# Altium PCB STB_SensorBoard.PcbDoc (part 2 of 4)
Units mm, origin at the board's own origin, x right, y up, seen from the top; angles counter-clockwise.
Board outline 370 x 359 mm, 2 copper layers (Top Layer, Bottom Layer), stack 1.569 mm thick; 224 components, 98 nets, 746 pads, 3353 vias.
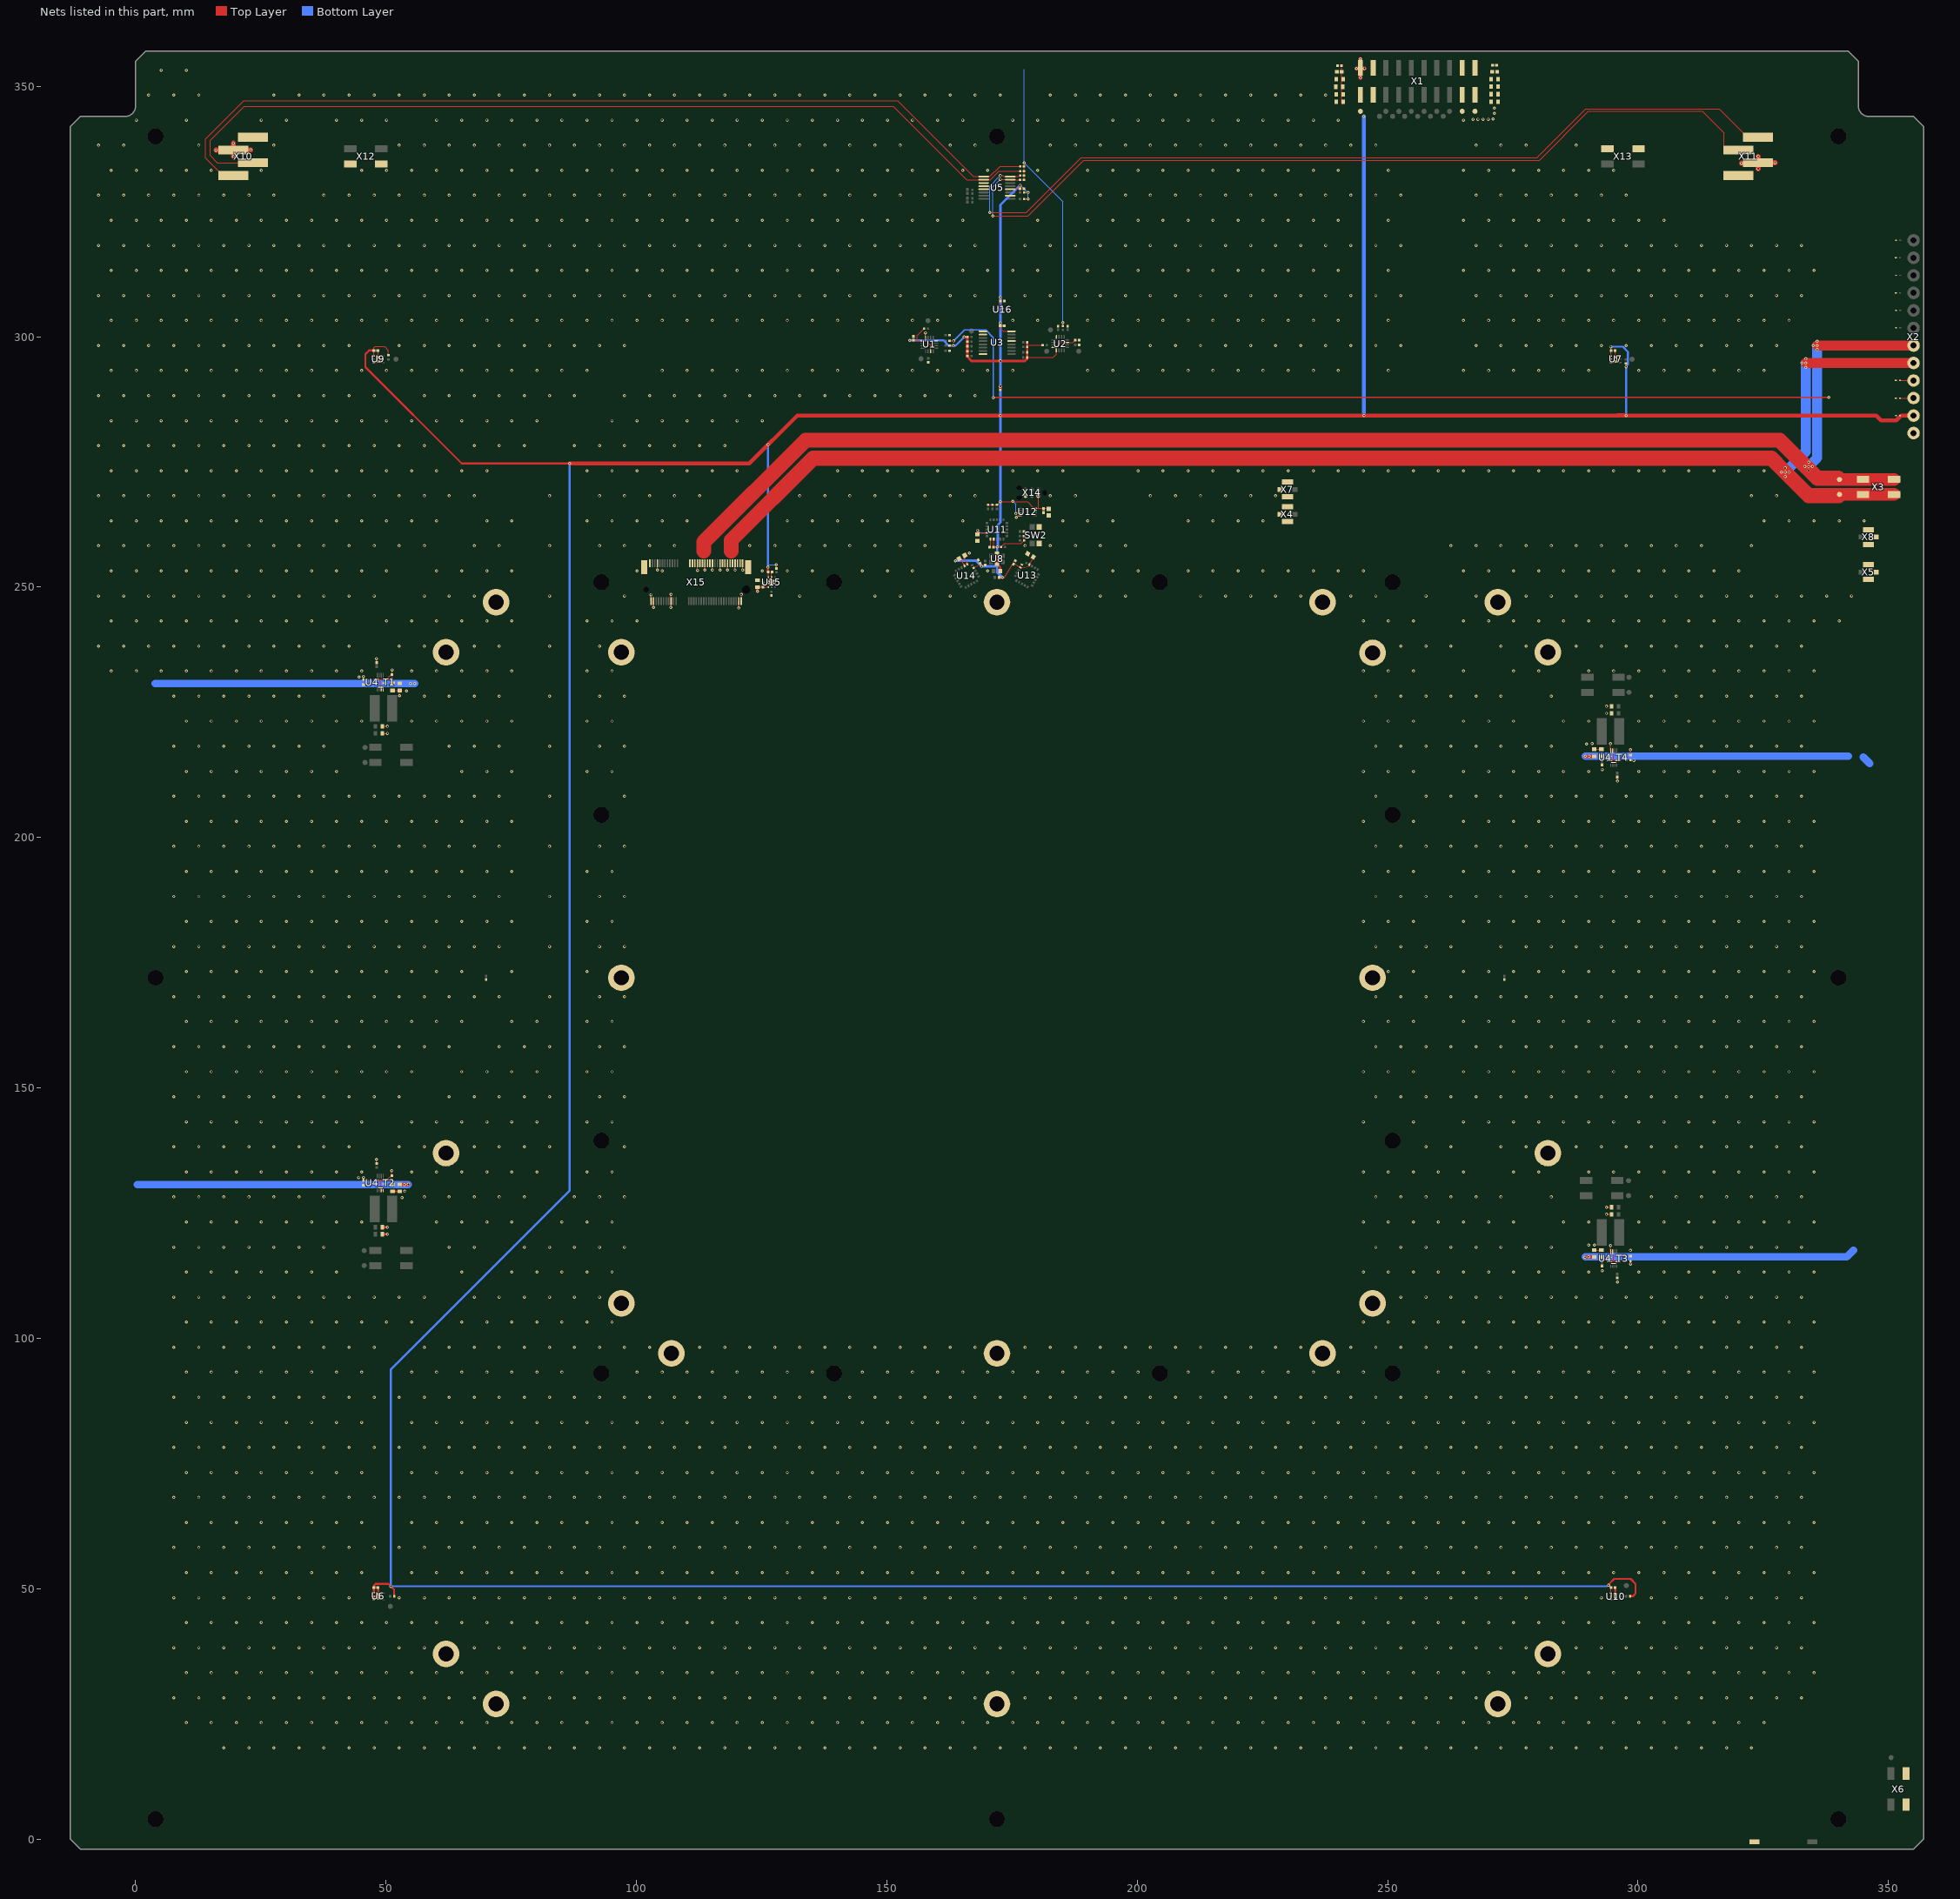
[diagram p2: the nets of this part, all layers, seen from the top]

## Part data (continued)
R15 R16 R17 R18: library part CMP-1011-00586-2, Manufacturer="Yageo / Phycomp", Manufacturer Part Number=RC0402FR-074K7L, Max Operating Temperature=155°C, Min Operating Temperature=-55°C, Package Height=0.35mm, Package Length=1mm, Package Shape=Rectangular, Package Style=SMTMeter, Package Width=0.5mm, Rated Power Dissipation (P)=62.5mW, Rated Temperature=70°C, Resistor Type="FIXED RESISTOR", Supplier Part Number 1=311-4.7KLRDKR-ND, Temperature Coefficient=100ppm/°C, Tolerance=1%, Working Voltage=50V, Additional Feature="LASER TRIMMABLE", Category="Chip SMD Resistors", ComponentLink1Description=https://datasheet.ciiva.com:443/pdfs/VipMasterIC/IC/YAGO/YAGO-S-A0008145938/YAGO-S-A0008145938-1.pdf?src-supplier=IHS+Markit, ComponentLink1URL=https://datasheet.ciiva.com:443/pdfs/VipMasterIC/IC/YAGO/YAGO-S-A0008145938/YAGO-S-A0008145938-1.pdf?src-supplier=IHS+Markit, ComponentLink2Description=https://datasheet.ciiva.com/22661/1686128-22661342.pdf?src-supplier=Element14, ComponentLink2URL=https://datasheet.ciiva.com/22661/1686128-22661342.pdf?src-supplier=Element14, ComponentLink3Description=https://datasheet.ciiva.com/7850/1018594-7850022.pdf?src-supplier=Element14, ComponentLink3URL=https://datasheet.ciiva.com/7850/1018594-7850022.pdf?src-supplier=Element14, ComponentLink4Description=https://datasheet.ciiva.com/7850/1018594-7850023.pdf?src-supplier=Element14, ComponentLink4URL=https://datasheet.ciiva.com/7850/1018594-7850023.pdf?src-supplier=Element14, ComponentLink5Description=https://datasheet.ciiva.com/15215/getdatasheetpartid-328119-15215035.pdf?src-supplier=Verical, ComponentLink5URL=https://datasheet.ciiva.com/15215/getdatasheetpartid-328119-15215035.pdf?src-supplier=Verical, Construction=Chip, JESD-609 Code=e3, Mount="Surface Mount", Number of Pins=2, Packaging="Tape and Reel", Part Number=RC0402FR-074K7L, Pricing 1="1=0.10000, 10=0.01500, 100=0.00600, 1000=0.00267, 2500=0.00232, 5000=0.00192 (USD)", REACH SVHC=Yes, RoHS=Yes, RoHS Compliant=Yes, Size Code=0402, Stock 1=23638739, Supplier 1=Digi-Key, Technology="METAL GLAZE/THICK FILM", Terminal Finish=Nickel, Termination=Wraparound
R21 R23: library part CMP-06022-000003-3, "NTC Thermistor for Temperature Sensor, 0402, 10kΩ, 1%, 0.1mA, 5V", Case Code (Imperial)=0402, Case Code (Metric)=1005, Current Rating=310uA, Manufacturer=Murata, Max Operating Temperature=125°C, Max Power Dissipation=100mW, Min Operating Temperature=-40°C, Package Quantity=10000, Package Shape=Rectangular, Rated Temperature=25°C, Resistance Tolerance=1%, Resistor Type="NTC THERMISTOR", Supplier Part Number 1=490-4801-1-ND, Case/Package=0402, Category=Thermistors, ComponentLink1Description=https://datasheet.ciiva.com:443/pdfs/VipMasterIC/IC/MURE/MURE-S-A0003530701/MURE-S-A0003530701-1.pdf?src-supplier=IHS+Markit, ComponentLink1URL=https://datasheet.ciiva.com:443/pdfs/VipMasterIC/IC/MURE/MURE-S-A0003530701/MURE-S-A0003530701-1.pdf?src-supplier=IHS+Markit, Depth=0.5mm, Height=0.5mm, JESD-609 Code=e3, Lead Free="Lead Free", Length=1mm, Manufacturer Part Number=NCP15XH103F03RC, Mount="Surface Mount", Number of Pins=2, Packaging="Tape and Reel", Power Rating=100mW, Pricing 1="1=0.16000, 5=0.14200, 10=0.12600, 25=0.11280, 50=0.09940, 100=0.08470, 500=0.07000, 1000=0.05861, 5000=0.05210 (USD)", Radiation Hardening=No, Rated Power Dissipation (P)=100mW, REACH SVHC="No SVHC", RoHS=Yes, RoHS Compliant=Yes, Series=NCP, Stock 1=413279, Supplier 1=Digi-Key, Terminal Finish=Nickel, Terminal Placement="Dual Ended", Termination=SMD/SMT, Thermistor Application="TEMPERATURE COMPENSATION", Tolerance=1%
R22 R24: library part CMP-1011-00531-2, Manufacturer="Yageo / Phycomp", Manufacturer Part Number=RC0402FR-071K6L, Max Operating Temperature=155°C, Min Operating Temperature=-55°C, Package Height=0.35mm, Package Length=1mm, Package Shape=Rectangular, Package Style=SMTMeter, Package Width=0.5mm, Rated Power Dissipation (P)=62.5mW, Rated Temperature=70°C, Resistor Type="FIXED RESISTOR", Supplier Part Number 1=YAG3045CT-ND, Temperature Coefficient=100ppm/°C, Tolerance=1%, Working Voltage=50V, Additional Feature="LASER TRIMMABLE", Category="Chip SMD Resistors", ComponentLink1Description=https://datasheet.ciiva.com:443/pdfs/VipMasterIC/IC/YAGO/YAGO-S-A0008145938/YAGO-S-A0008145938-1.pdf?src-supplier=IHS+Markit, ComponentLink1URL=https://datasheet.ciiva.com:443/pdfs/VipMasterIC/IC/YAGO/YAGO-S-A0008145938/YAGO-S-A0008145938-1.pdf?src-supplier=IHS+Markit, ComponentLink2Description=https://datasheet.ciiva.com/7849/1018594-7849865.pdf?src-supplier=Element14, ComponentLink2URL=https://datasheet.ciiva.com/7849/1018594-7849865.pdf?src-supplier=Element14, ComponentLink3Description=https://datasheet.ciiva.com/7849/1018594-7849866.pdf?src-supplier=Element14, ComponentLink3URL=https://datasheet.ciiva.com/7849/1018594-7849866.pdf?src-supplier=Element14, ComponentLink4Description=https://datasheet.ciiva.com/8895/pyu-rc0402-51-rohs-l-6-8895221.pdf?src-supplier=Avnet, ComponentLink4URL=https://datasheet.ciiva.com/8895/pyu-rc0402-51-rohs-l-6-8895221.pdf?src-supplier=Avnet, ComponentLink5Description=https://datasheet.ciiva.com/15189/getdatasheetpartid-329238-15189373.pdf?src-supplier=Verical, ComponentLink5URL=https://datasheet.ciiva.com/15189/getdatasheetpartid-329238-15189373.pdf?src-supplier=Verical, Construction=Chip, JESD-609 Code=e3, Mount="Surface Mount", Number of Pins=2, Packaging="Tape and Reel", Part Number=RC0402FR-071K6L, Pricing 1="1=0.10000, 10=0.01500, 100=0.00600, 1000=0.00267, 2500=0.00232, 5000=0.00192 (USD)", REACH SVHC=Yes, RoHS=Yes, RoHS Compliant=Yes, Size Code=0402, Stock 1=492226, Supplier 1=Digi-Key, Technology="METAL GLAZE/THICK FILM", Terminal Finish=Nickel, Termination=Wraparound
R37: library part CMP-2002-07490-1, Manufacturer="Yageo / Phycomp", Manufacturer Part Number=RC0402FR-071ML, Max Operating Temperature=155°C, Min Operating Temperature=-55°C, Package Height=0.35mm, Package Length=1mm, Package Shape=Rectangular, Package Style=SMTMeter, Package Width=0.5mm, Rated Power Dissipation (P)=62.5mW, Rated Temperature=70°C, Resistor Type="FIXED RESISTOR", Supplier Part Number 1=311-1.00MLRDKR-ND, Temperature Coefficient=100ppm/°C, Tolerance=1%, Working Voltage=50V, Additional Feature="LASER TRIMMABLE", Category="Chip SMD Resistors", ComponentLink1Description=https://datasheet.ciiva.com:443/pdfs/VipMasterIC/IC/YAGO/YAGO-S-A0008145938/YAGO-S-A0008145938-1.pdf?src-supplier=IHS+Markit, ComponentLink1URL=https://datasheet.ciiva.com:443/pdfs/VipMasterIC/IC/YAGO/YAGO-S-A0008145938/YAGO-S-A0008145938-1.pdf?src-supplier=IHS+Markit, ComponentLink2Description=https://datasheet.ciiva.com/11808/0900766b80c66297-11808125.pdf?src-supplier=RSComponents, ComponentLink2URL=https://datasheet.ciiva.com/11808/0900766b80c66297-11808125.pdf?src-supplier=RSComponents, ComponentLink3Description=https://datasheet.ciiva.com/46394/1018594-46394951.pdf?src-supplier=Element14, ComponentLink3URL=https://datasheet.ciiva.com/46394/1018594-46394951.pdf?src-supplier=Element14, ComponentLink4Description=https://datasheet.ciiva.com/7849/1018594-7849883.pdf?src-supplier=Element14, ComponentLink4URL=https://datasheet.ciiva.com/7849/1018594-7849883.pdf?src-supplier=Element14, ComponentLink5Description=https://datasheet.ciiva.com/7849/1018594-7849882.pdf?src-supplier=Element14, ComponentLink5URL=https://datasheet.ciiva.com/7849/1018594-7849882.pdf?src-supplier=Element14, ComponentLink6Description=https://datasheet.ciiva.com/16741/pyu-rc0402-51-rohs-l-6-r-16741081.pdf?src-supplier=Future+Electronics, ComponentLink6URL=https://datasheet.ciiva.com/16741/pyu-rc0402-51-rohs-l-6-r-16741081.pdf?src-supplier=Future+Electronics, Construction=Chip, JESD-609 Code=e3, Mount="Surface Mount", Number of Pins=2, Packaging="Tape and Reel", Part Number=RC0402FR-071ML, Pricing 1="1=0.10000, 10=0.01500, 100=0.00600, 1000=0.00267, 2500=0.00232, 5000=0.00192 (USD)", REACH SVHC=Yes, RoHS=Yes, RoHS Compliant=Yes, Size Code=0402, Stock 1=7275530, Supplier 1=Digi-Key, Technology="METAL GLAZE/THICK FILM", Terminal Finish=Nickel, Termination=Wraparound
SW1: library part CMP-2000-06713-1, "Molded Body Reed Switch, 100 V, 10 W, -40 to 130 degC, 2-Pin SMD, RoHS, Tape and Reel", Manufacturer="Standex Meder", Max Operating Temperature=130°C, Min Operating Temperature=-40°C, Package Description="2-Pin Surface Mount Device, Body 8.5 x 2.1 mm", Package Shape/Style=Rectangular, Supplier Part Number 1=374-1021-2-ND, Body Breadth=2.1inch, Body Height=2.1mm, Body Length or Diameter=8.5mm, Category="Signal Relays", ComponentLink1Description=https://datasheet.ciiva.com:443/pdfs/VipMasterIC/IC/STME/STME-S-A0010126788/STME-S-A0010126848-1.pdf?src-supplier=IHS+Markit, ComponentLink1URL=https://datasheet.ciiva.com:443/pdfs/VipMasterIC/IC/STME/STME-S-A0010126788/STME-S-A0010126848-1.pdf?src-supplier=IHS+Markit, ComponentLink2Description=https://datasheet.ciiva.com/2818/9171800022e-2818053.pdf?src-supplier=Digi-Key, ComponentLink2URL=https://datasheet.ciiva.com/2818/9171800022e-2818053.pdf?src-supplier=Digi-Key, ComponentLink3Description=https://datasheet.ciiva.com/4626/9171800022e-11078-4626565.pdf?src-supplier=Mouser, ComponentLink3URL=https://datasheet.ciiva.com/4626/9171800022e-11078-4626565.pdf?src-supplier=Mouser, ComponentLink4Description=https://datasheet.ciiva.com/1320/96345-1320425.pdf?src-supplier=Element14, ComponentLink4URL=https://datasheet.ciiva.com/1320/96345-1320425.pdf?src-supplier=Element14, ComponentLink5Description=https://datasheet.ciiva.com/15099/getdatasheetpartid-639745-15099041.pdf?src-supplier=Verical, ComponentLink5URL=https://datasheet.ciiva.com/15099/getdatasheetpartid-639745-15099041.pdf?src-supplier=Verical, ComponentLink6Description=https://datasheet.ciiva.com/30182/9171800022e-30182855.pdf?src-supplier=Onlinecomponents.com, ComponentLink6URL=https://datasheet.ciiva.com/30182/9171800022e-30182855.pdf?src-supplier=Onlinecomponents.com, ComponentLink7Description=https://datasheet.ciiva.com/15697/23-en-1-sensormk17e-15697662.pdf?src-supplier=Onlinecomponents.com, ComponentLink7URL=https://datasheet.ciiva.com/15697/23-en-1-sensormk17e-15697662.pdf?src-supplier=Onlinecomponents.com, Datasheet URL=http://www.masterelectronics.com/productFiles/mf-MDR/9171800022e.pdf, Datasheet Version="Rev. 17, 12/2014", Housing Material=Resin, Manufacturer Part Number=MK17-B-2, Manufacturer URL=https://standexelectronics.com, Mount="Surface Mount", Mounting Technology=SurfaceMount, Package Reference=MK17-B-2, Pricing 1="2000=1.64933, 4000=1.49834, 6000=1.43750 (USD)", REACH SVHC="No SVHC", Response Time=100us, RoHS=Yes, RoHS Compliant=Yes, Sensors/Transducers Type="PROXIMITY SENSOR,PHOTOELECTRIC", Stock 1=6000, Supplier 1=Digi-Key, Termination=Solder
SW2: library part CMP-2000-06231-1, "Light Touch Switch, 100 mOhm, -40 to 85 degC, 4-Pin SMD, RoHS, Tape and Reel", Actuator Color=Black, Contact Current(DC)-Max=20mA, Contact DC Max Rating R Load=.02A@15VDC, Contact Rating @ Voltage=0.02@15VDCA, Contact Resistance=0.1mR, Contact Voltage(DC)-Max=15V, Dielectric Strength=250VAC, Dielectric Withstand Volts=250VACV, Insulation Resistance=100MR, Manufacturer=Panasonic, Manufacturer Part Number=EVP-AA002K, Manufacturer Series=EVPAA, Max Operating Temperature=85°C, Maximum AC Voltage Rating=N/A, Maximum Contact Resistance=100mOhm, Min Operating Temperature=-40°C, Minimum Insulation Resistance=100MOhm, Operating Force=1N, Operating Temperature=-40to85C, Package Description="4-Pin Surface Mount Device, Body 2.9 x 3.5 mm, Pitch 1.45 mm", Supplier Part Number 1=P13347SDKR-ND, Actuator Angle=0°, Actuator Length=0.3mm, Actuator Style=RectangularButton, Actuator Travel=0.127mm, Actuator Type=Pushbutton, Base Material=N/A, Body Breadth=2.9inch, Body Color=Black, Body Height=1.4mm, Body Length or Diameter=3.5mm, Body Orientation=Straight, Category="Tactile Switches", Circuit Configuration=1X1, ComponentLink1Description=https://datasheet.ciiva.com:443/pdfs/VipMasterIC/IC/PANA/PANA-S-A0001791376/PANA-S-A0001791376-1.pdf?src-supplier=IHS+Markit, ComponentLink1URL=https://datasheet.ciiva.com:443/pdfs/VipMasterIC/IC/PANA/PANA-S-A0001791376/PANA-S-A0001791376-1.pdf?src-supplier=IHS+Markit, ComponentLink2Description=https://datasheet.ciiva.com/24076/atk0000pe184-69004-24076293.pdf?src-supplier=Mouser, ComponentLink2URL=https://datasheet.ciiva.com/24076/atk0000pe184-69004-24076293.pdf?src-supplier=Mouser, ComponentLink3Description=https://datasheet.ciiva.com/30108/atk0000ce26-30108515.pdf?src-supplier=Onlinecomponents.com, ComponentLink3URL=https://datasheet.ciiva.com/30108/atk0000ce26-30108515.pdf?src-supplier=Onlinecomponents.com, ComponentLink4Description=https://datasheet.ciiva.com/17016/70270676-17016874.pdf?src-supplier=Allied+Electronics, ComponentLink4URL=https://datasheet.ciiva.com/17016/70270676-17016874.pdf?src-supplier=Allied+Electronics, ComponentLink5Description=https://datasheet.ciiva.com/16395/atk0000ce26-16395244.pdf?src-supplier=Future+Electronics, ComponentLink5URL=https://datasheet.ciiva.com/16395/atk0000ce26-16395244.pdf?src-supplier=Future+Electronics, ComponentLink6Description=https://datasheet.ciiva.com/2899/atk0000ce26-2899991.pdf?src-supplier=Digi-Key, ComponentLink6URL=https://datasheet.ciiva.com/2899/atk0000ce26-2899991.pdf?src-supplier=Digi-Key, ComponentLink7Description=https://datasheet.ciiva.com/2899/atk0000ce26-2899992.pdf?src-supplier=Digi-Key, ComponentLink7URL=https://datasheet.ciiva.com/2899/atk0000ce26-2899992.pdf?src-supplier=Digi-Key, ComponentLink8Description=https://datasheet.ciiva.com/2899/atk0000ce26-2899990.pdf?src-supplier=Digi-Key, ComponentLink8URL=https://datasheet.ciiva.com/2899/atk0000ce26-2899990.pdf?src-supplier=Digi-Key, Contact Bounce Time-Max=10ms, Contact Function=OFF-(ON), Contact Material=N/A, Contact Plating=N/A, Contact Timing="SNAP ACTION", COO=JP, Datasheet URL=https://industrial.panasonic.com/cdbs/www-data/pdf/ATV0000/ATV0000C1.pdf, Datasheet Version=04/2016, Dimension=4.3x2.9x1.7mm, ECCN=EAR99, Electrical Life=1000000Cycles, Family=EVPAA, Ground Terminal=No, Housing Material=N/A, HTS=8507204000, Illumination Type=N/R, Manufacturer URL=http://www.panasonic.com/, Maximum DC Voltage Rating=15V, Mechanical Life=N/A, Mount="Surface Mount", Mounting=SurfaceMount,J-Bend, Mounting Technology=SurfaceMount, Number of Switches=1, Operating Force-Max=1N, Package Reference=EVPAA, Packaging=EmbossedTapeandReel, Part No=EVP-AA002K, Pole Throw Configuration=SPST, Pricing 1="1=0.87000, 10=0.83400, 25=0.80200, 100=0.69610, 250=0.63516, 500=0.59026, 1000=0.52930, 2500=0.49722 (USD)", Product Weight=N/A, REACH SVHC=Yes, RoHS=Yes, RoHS Compliant=Yes, Seal Description=N/A, Seal Location=N/A, Sealing=MOLDED, Stock 1=2300, Supplier=PanasonicIndustrialDevices, Supplier 1=Digi-Key, Supplier Standard Pack=5,000, Switch Action=MOMENTARY, Switch Configuration=N.O., Switch Function=SPST, Switch Type=Keypad, Termination=Solder, Type=LightTouch
TP1 TP2 TP3 TP4 TP5 TP6 TP7 TP8 TP9 TP10 TP11 TP12 TP13 TP14 TP15 TP16 TP17 TP18 TP19 TP20 TP21 TP22 TP23 TP24 TP25_T1 TP25_T2 TP25_T3 TP25_T4 TP26_T1 TP26_T2 TP26_T3 TP26_T4 TP29 TP30 TP31 TP32: "testPoint 1mm"
U1 U2: library part CMP-09080-000014-1, "IC ADC/DAC 12BIT 16LFCSP", Manufacturer="Analog Devices", Max Operating Temperature=105°C, Min Operating Temperature=-40°C, Package Body Material=Plastic, Package Code=VFBGA, Package Shape=Square, Package Style="GRID ARRAY, VERY THIN PROFILE, FINE PITCHMeter", Supplier Part Number 1=505-AD5593RBCPZ-RL7DKR-ND, Supply Voltage-Max (Vsup)=5.5V, Supply Voltage-Min (Vsup)=2.7V, Supply Voltage-Nom (Vsup)=3V, Temperature Grade=INDUSTRIAL, Analog IC - Other Type="ANALOG CIRCUIT", Category="Analog to Digital Converters (ADCs)", ComponentLink1Description=https://datasheet.ciiva.com:443/pdfs/VipMasterIC/IC/ANDI/ANDI-S-A0006763626/ANDI-S-A0006763626-1.pdf?src-supplier=IHS+Markit, ComponentLink1URL=https://datasheet.ciiva.com:443/pdfs/VipMasterIC/IC/ANDI/ANDI-S-A0006763626/ANDI-S-A0006763626-1.pdf?src-supplier=IHS+Markit, ComponentLink2Description=http://www.mouser.com/ds/2/609/AD5593R-534139.pdf?src-supplier=Mouser, ComponentLink2URL=http://www.mouser.com/ds/2/609/AD5593R-534139.pdf?src-supplier=Mouser, ComponentLink3Description=http://www.analog.com/media/en/technical-documentation/data-sheets/AD5593R.pdf?src-supplier=Avnet, ComponentLink3URL=http://www.analog.com/media/en/technical-documentation/data-sheets/AD5593R.pdf?src-supplier=Avnet, ComponentLink4Description=http://www.analog.com/media/en/technical-documentation/data-sheets/AD5593R.pdf?src-supplier=Digi-Key, ComponentLink4URL=http://www.analog.com/media/en/technical-documentation/data-sheets/AD5593R.pdf?src-supplier=Digi-Key, Converter Type=ADC, Height - Seated (Max)=0.8mm, Integral Nonlinearity (INL)=2LSB, Interface=I2C, Lead Free="Contains Lead", Length=3mm, Manufacturer Part Number=AD5593RBCPZ-RL7, Mount="Surface Mount", Number of A/D Converters=1, Number of D/A Converters=8, Number of Functions=1, Number of Pins=16, Packaging="Cut Tape", Pricing 1="1=10.17000, 10=9.18400, 25=8.75720, 100=7.60380, 250=7.26208, 500=6.62128 (USD)", REACH SVHC=Yes, Resolution=12b, RoHS=Yes, RoHS Compliant=Yes, Settling Time=6us, Stock 1=8778, Supplier 1=Digi-Key, Supply Type=Analog, Surface Mount=Yes, Terminal Form=Ball, Terminal Pitch=0.5mm, Terminal Position=BOTTOM, Width=3mm
U3: library part CMP-02071-1, "Buffer, ReDriver 4 Channel 1MHz 16-TSSOP", Current - Supply=1µA, Manufacturer="NXP Semiconductors", Mfr="NXP USA Inc.", Operating Temperature="-40°C ~ 85°C", Supplier Device Package=16-TSSOP, Supplier Part Number 1=568-6704-6-ND, Voltage - Supply="2.7V ~ 5.5V", Applications=I²C, Base Product Number=PCA9646, Category="Interface ICs", ComponentLink1Description=https://datasheet.ciiva.com:443/pdfs/VipMasterIC/IC/PHGL/PHGL-S-A0001063153/PHGL-S-A0001063153-1.pdf?src-supplier=IHS+Markit, ComponentLink1URL=https://datasheet.ciiva.com:443/pdfs/VipMasterIC/IC/PHGL/PHGL-S-A0001063153/PHGL-S-A0001063153-1.pdf?src-supplier=IHS+Markit, ComponentLink2Description=https://datasheet.ciiva.com/1784/pca9646-1784176.pdf?src-supplier=Digi-Key, ComponentLink2URL=https://datasheet.ciiva.com/1784/pca9646-1784176.pdf?src-supplier=Digi-Key, ComponentLink3Description=https://datasheet.ciiva.com/1784/pca9646-1784174.pdf?src-supplier=Digi-Key, ComponentLink3URL=https://datasheet.ciiva.com/1784/pca9646-1784174.pdf?src-supplier=Digi-Key, ComponentLink4Description=https://datasheet.ciiva.com/26908/getdatasheetpartid-340522-26908235.pdf?src-supplier=Verical, ComponentLink4URL=https://datasheet.ciiva.com/26908/getdatasheetpartid-340522-26908235.pdf?src-supplier=Verical, ComponentLink5Description=https://datasheet.ciiva.com/3169/pca9646-3169261.pdf?src-supplier=Avnet, ComponentLink5URL=https://datasheet.ciiva.com/3169/pca9646-3169261.pdf?src-supplier=Avnet, ComponentLink6Description=https://datasheet.ciiva.com/1784/pca9646-1784175.pdf?src-supplier=Digi-Key, ComponentLink6URL=https://datasheet.ciiva.com/1784/pca9646-1784175.pdf?src-supplier=Digi-Key, Data Rate (Max)=1MHz, Delay Time=100ns, Input="2-Wire Bus", Logic IC Type=MULTIPLEXER, Manufacturer Part Number=PCA9646PW,118, Moisture Sensitivity Level=1, Mounting Type="Surface Mount", Number of Channels=4, Output="2-Wire Bus", Pricing 1="1=7.63000, 10=6.89100, 25=6.57040, 100=5.70510, 250=5.44872, 500=5.06716 (USD)", Product Status=Active, REACH SVHC=Yes, Reach SVHC Compliant=Yes, RoHS=Yes, RoHS Compliant=Yes, Series=-, Signal Conditioning=-, Stock 1=2391, Supplier 1=Digi-Key, Type="Buffer, ReDriver"
U4_T1 U4_T2 U4_T3 U4_T4: library part CMP-02052-1, "1.5A THERMOELECTRIC COOLER CONTR", Current - Supply=1mA, Manufacturer="Monolithic Power Systems", Mfr="Monolithic Power Systems Inc.", Operating Temperature="-40°C ~ 125°C (TJ)", Package / Case=16-PowerVFQFN, Supplier Device Package="16-QFN (2x3)", Supplier Part Number 1=1589-MP8833GD-0000-ZCT-ND, Voltage - Supply="2.7V ~ 5.5V", Applications="Thermoelectric Cooler", Base Product Number=MP8833, Category="Power Management ICs", Manufacturer Part Number=MP8833GD-0000-Z, Mounting Type="Surface Mount", Pricing 1="1=7.95000, 10=7.17900, 25=6.84480, 100=5.94340, 250=5.67632, 500=5.17544, 1000=4.72500 (USD)", RoHS=No, Series=-, Stock 1=4427, Supplier 1=Digi-Key
U5: library part CMP-0253-00230-1, "Dual-Channel Temperature Monitors and Fan-Speed Controller with Thermistor Inputs, -40 to 125 degC, 16-Pin SOP (E16+1), Pb-Free, Tape and Reel", Generic Part Number=MAX6615, Manufacturer=Maxim, Max Operating Temperature=125°C, Max Supply Voltage=5.5V, Min Operating Temperature=-40°C, Min Supply Voltage=3V, Operating Current-Max=1mA, Package Body Material=Plastic, Package Equivalence Code=SSOP16,.25, Package Shape/Style=Rectangular, Power Supplies=3.3/5V, Supplier Part Number 1=MAX6615AEE+TCT-ND, Body Breadth=3.9inch, Body Height=1.64mm, Body Length or Diameter=8.65mm, Category="Power Management ICs", Code_JEDEC=MO137, ComponentLink1Description="Manufacturer URL", ComponentLink1URL=http://www.maximintegrated.com/, ComponentLink2Description=Datasheet, ComponentLink2URL=http://datasheets.maximintegrated.com/en/ds/MAX6615-MAX6616.pdf, ComponentLink3Description="Package Specification", ComponentLink3URL=http://pdfserv.maximintegrated.com/package_dwgs/21-0055.PDF, ComponentLink4Description=https://datasheet.ciiva.com:443/pdfs/VipMasterIC/IC/MAXM/MAXMS09113/MAXMS09113-1.pdf?src-supplier=IHS+Markit, ComponentLink4URL=https://datasheet.ciiva.com:443/pdfs/VipMasterIC/IC/MAXM/MAXMS09113/MAXMS09113-1.pdf?src-supplier=IHS+Markit, ComponentLink5Description=https://datasheet.ciiva.com/3279/max6615-max6616-3279622.pdf?src-supplier=Avnet, ComponentLink5URL=https://datasheet.ciiva.com/3279/max6615-max6616-3279622.pdf?src-supplier=Avnet, ComponentLink6Description=https://datasheet.ciiva.com/14083/max6615-max6616-14083689.pdf?src-supplier=Digi-Key, ComponentLink6URL=https://datasheet.ciiva.com/14083/max6615-max6616-14083689.pdf?src-supplier=Digi-Key, ComponentLink7Description=https://datasheet.ciiva.com/13952/max6615-max6616-13952058.pdf?src-supplier=Digi-Key, ComponentLink7URL=https://datasheet.ciiva.com/13952/max6615-max6616-13952058.pdf?src-supplier=Digi-Key, ComponentLink8Description=https://datasheet.ciiva.com/13952/max6615-max6616-13952059.pdf?src-supplier=Digi-Key, ComponentLink8URL=https://datasheet.ciiva.com/13952/max6615-max6616-13952059.pdf?src-supplier=Digi-Key, DatasheetVersion="Rev. 2", Fan Cntrl.=PWM, Fan Controller Functions="Fan Failure Detector", Interface=2-Wire/I2C/SMBus, JESD-609 Code=e3, Manufacturer Part Number=MAX6615AEE+T, Mount="Surface Mount", Mounting Technology="Surface Mount", Number of Bits=8, Number of Pins=16, Output Interface Type=2-Wire, PackageDescription="16-Pin Quarter Small-Outline Package (E16+1), Body 4.90 x 3.89 mm, Pitch 0.635 mm", PackageReference=E16+1, PackageVersion="Rev. K, 04/2012", Packing="Tape and Reel", PartNumber=MAX6615AEE+T, REACH SVHC=Yes, RoHS=Yes, RoHS Compliant=Yes, Sensors/Transducers Type="TEMPERATURE SENSOR,SWITCH/DIGITAL OUTPUT,SERIAL", Supplier 1=Digi-Key, Technology=BICMOS, Terminal Finish=Tin, Termination=Solder
U6 U7 U9 U10: library part CMP-2000-06867-1, "Ambient Light Sensor (ALS), 1.6 to 3.6 V, -40 to 85 degC, 6-Pin USON (DNP), Green (RoHS & no Sb/Br), Tape and Reel", Manufacturer="Texas Instruments", Max Processing Temp=260, Maximum Clock Frequency=2600, Maximum Operating Supply Voltage=3.6, Minimum Operating Supply Voltage=1.6, Operating Temperature=-40to85C, Package Description="6-Pin Plastic Small Outline No-Lead, Body 2 x 2 mm, Pitch 0.65 mm, Thermal Pad 1.35 x 0.65 mm", Package Reference=DNP6, Typical Supply Current=3.7, Audio I/O=No, Datasheet URL=http://www.ti.com/lit/ds/symlink/opt3001.pdf, Datasheet Version="Rev. B, 12/2014", Ethernet=No, GPIO=No, Interface Type=Serial(2-Wire,I2C,SMBus), Lead Finish=Gold, Lux Range=0.01to83000, Manufacturer Part Number=OPT3001DNPT, Manufacturer URL=http://www.ti.com/, Mounting=SurfaceMount, Mounting Technology=SurfaceMount, Output Type=Digital, Package URL=http://www.ti.com/lit/ml/mpds564/mpds564.pdf, Peak Wavelength=550nm, Sensor Type=LighttoDigital
U8: library part CMP-02054-1, "Ambient Light Sensor, I²C 6-SMD, No Lead", Manufacturer=Vishay, Mfr="Vishay Semiconductor Opto Division", Operating Temperature="-40°C ~ 110°C (TA)", Package / Case="6-SMD, No Lead", Supplier Device Package=6-SMD, Supplier Part Number 1=3765835, Voltage - Supply="2.5V ~ 3.6V", Category=Uncategorized, Manufacturer Part Number=VEML6031X00, Mounting Type="Surface Mount", Output Type=I²C, Pricing 1="1=3.35000, 10=2.44000, 25=2.28000, 50=2.16000 (GBP)", Proximity Detection=Yes, RoHS=No, Series=-, Stock 1=2982, Supplier 1=Farnell, Type=Ambient, Wavelength=-
U11: library part CMP-22831-000005-1, "AS72651-BLGT LGA20 LF T&RDP", Case/Package=SMD/SMT, Frequency=50MHz, Frequency Stability=25ppm, Manufacturer=ams, Max Operating Temperature=85°C, Max Supply Current=8mA, Min Operating Temperature=-40°C, Supplier Part Number 1=AS72651-BLGTDKR-ND, Address=0b1001001, Category="LED Drivers", ComponentLink1Description=https://ams.com/documents/20143/36005/AS7265x_DS000612_1-00.pdf?src-supplier=Digi-Key, ComponentLink1URL=https://ams.com/documents/20143/36005/AS7265x_DS000612_1-00.pdf?src-supplier=Digi-Key, Manufacturer Part Number=AS72651-BLGT, Mount="Surface Mount", Number of Pins=20, Packaging="Tape and Reel", RoHS=No, Supplier 1=Digi-Key
U12: library part CMP-0467-00001-2, "4 M-Bit [x1 / x2] CMOS Serial Flash, 86 MHz, -0.7 to 3.6 V, -40 to 85 degC, Body  2 x 3 x 0.6 mm", Clock Frequency-Max (fCLK)=86MHz, Frequency(MHz)=86, Manufacturer=Macronix, Max Operating Temperature=85°C, Max Supply Current=20uA, Min Operating Temperature=-40°C, Operating Current(mA)=12, Operating Mode=SYNCHRONOUS, Operationg Tempertaure Range="-40 to 85 degC", Package Body Material=Plastic, Package Code=HVSON, Package Shape=Rectangular, Package Style="SMALL OUTLINE, HEAT SINK/SLUG, VERY THIN PROFILEMeter", Power Supplies=3/3.3V, Programming Voltage=2.7V, Standby Current(uA)=10, Standby Current-Max=10uA, Supplier Part Number 1=1092-1154-1-ND, Supply Voltage-Max (Vsup)=3.6V, Supply Voltage-Nom (Vsup)=3V, Temperature Grade=INDUSTRIAL, Alternate Memory Width=1, Bus Width="x1, x2", Category=Flash, ComponentLink1Description="Manufacturer URL", ComponentLink1URL=http://www.macronix.com, ComponentLink2Description=Datasheet, ComponentLink2URL=http://www.macronix.com/QuickPlace/hq/PageLibrary4825740B00298A3B.nsf/h_Index/3F21BAC2E121E17848257639003A3146/$File/MX25L4006E,%203V,%204Mb,%20v1.3.pdf, ComponentLink3Description="Package Specification", ComponentLink3URL=http://www.macronix.com/QuickPlace/hq/PageLibrary4825740B00298A3B.nsf/h_Index/3F21BAC2E121E17848257639003A3146/$File/MX25L4006E,%203V,%204Mb,%20v1.3.pdf, ComponentLink4Description=https://datasheet.ciiva.com:443/pdfs/VipMasterIC/IC/MXMA/MXMA-S-A0007770252/MXMA-S-A0007770252-1.pdf?src-supplier=IHS+Markit, ComponentLink4URL=https://datasheet.ciiva.com:443/pdfs/VipMasterIC/IC/MXMA/MXMA-S-A0007770252/MXMA-S-A0007770252-1.pdf?src-supplier=IHS+Markit, ComponentLink5Description=http://www.macronix.com/Lists/Datasheet/Attachments/5087/MX25L4006E,%203V,%204Mb,%20v1.6.pdf?src-supplier=Digi-Key, ComponentLink5URL=http://www.macronix.com/Lists/Datasheet/Attachments/5087/MX25L4006E,%203V,%204Mb,%20v1.6.pdf?src-supplier=Digi-Key, ComponentLink6Description=http://ckassoc.com/oldsite/pdf/Macronix_Product_Line_Card_July_2017_General%20_070617.pdf?src-supplier=Digi-Key, ComponentLink6URL=http://ckassoc.com/oldsite/pdf/Macronix_Product_Line_Card_July_2017_General%20_070617.pdf?src-supplier=Digi-Key, ComponentLink7Description=http://www.macronix.com/Lists/Datasheet/Attachments/7604/MX25L4006E,%203V,%204Mb,%20v1.7.pdf?src-supplier=Digi-Key, ComponentLink7URL=http://www.macronix.com/Lists/Datasheet/Attachments/7604/MX25L4006E,%203V,%204Mb,%20v1.7.pdf?src-supplier=Digi-Key, ComponentLink8Description=http://www.macronix.com/QuickPlace/hq/PageLibrary4825740B00298A3B.nsf/h_Index/3F21BAC2E121E17848257639003A3146/$File/MX25L4006E,%203V,%204Mb,%20v1.4.pdf?src-supplier=Future+Electronics, ComponentLink8URL=http://www.macronix.com/QuickPlace/hq/PageLibrary4825740B00298A3B.nsf/h_Index/3F21BAC2E121E17848257639003A3146/$File/MX25L4006E,%203V,%204Mb,%20v1.4.pdf?src-supplier=Future+Electronics, Data Retention Time-Min=20, DatasheetVersion="Rev. 1.3", Density="4 Mb", Endurance=100000Cycles, Height - Seated (Max)=0.6mm, JESD-30 Code=R-PDSO-N8, JESD-609 Code=e3, Length=3mm, Manufacturer Part Number=MX25L4006EZUI-12G, Memory Type=FLASH, Memory Width=2, Moisture Sensitivity Level=3, Mounting Technology="Surface Mount", Number of Functions=1, Number of Pins=8, Number of Words=2097152, Number of Words Code=2M, Organization=2MX2, PackageDescription="8-Pin Small Outline No-lead Package, Body 2 x 3mm, Pitch 0.5 mm", PackageReference=USON-8, PackageVersion="Rev. 3", Parallel/Serial=SERIAL, PartNumber=MX25L4006EZUI-12G, Pricing 1="1=0.73000, 10=0.66700, 25=0.65880, 50=0.65480, 100=0.58540, 250=0.58048, 500=0.57188, 1000=0.55143, 5000=0.50226 (USD)", Qualification Status="Not Qualified", REACH SVHC="No SVHC", RoHS=Yes, RoHS Compliant=Yes, Sector Type="4 KB, 64 KB", Serial Bus Type=SPI, Stock 1=48100, Supplier 1=Digi-Key, Supply Voltage-Min (Vsup)=2.7V, Surface Mount=Yes, Technology=CMOS, Terminal Finish=Tin, Terminal Form="No Lead", Terminal Pitch=0.5mm, Terminal Position=DUAL, Type="NOR TYPE", Vin="-2.7 to 3.6 V", Width=2mm, Write Protection=HARDWARE/SOFTWARE